# Altium PCB host_board.PcbDoc (part 1 of 7) (continued)
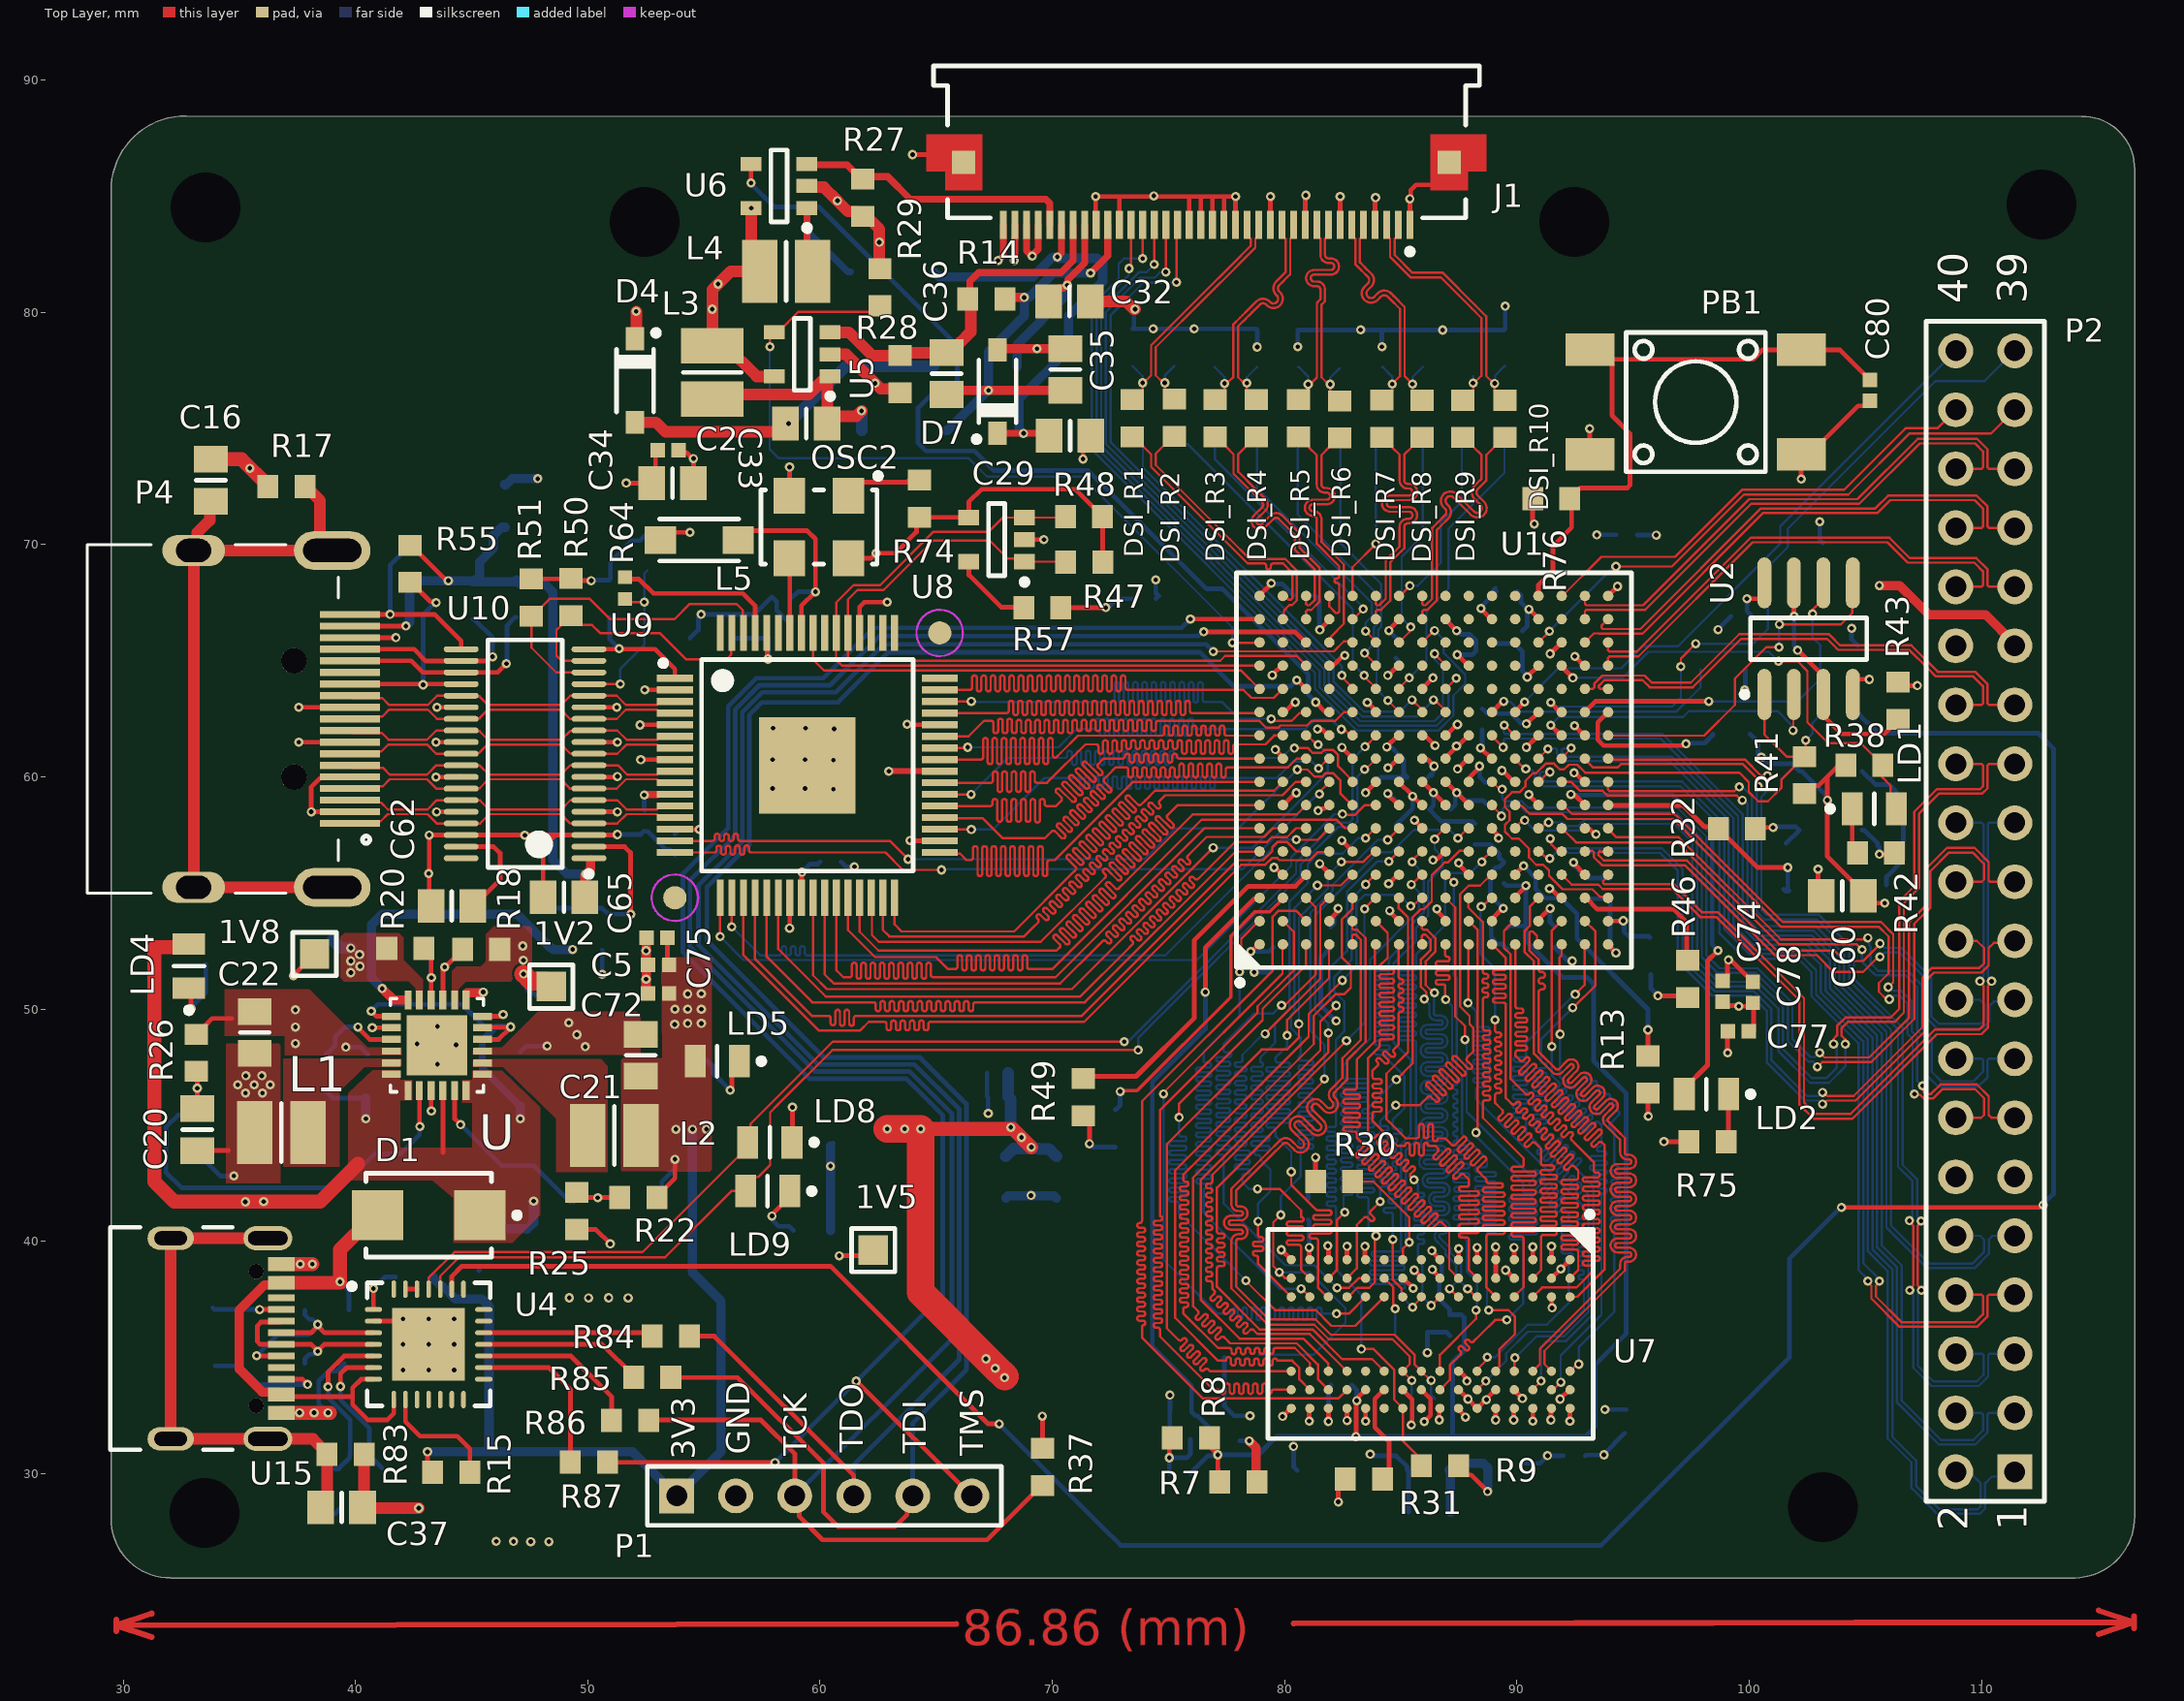
[diagram p0: Top Layer view]
## Design rules (kind name [scope] priority, off if disabled: settings) (continued)
PolygonConnect PolygonConnect_3 [InNet('1V5')] p6: thpad.connectstyle=Relief thpad.reliefconductorwidth=0.254 thpad.reliefentries=4 thpad.polygonreliefangle="90 Angle" thpad.airgapwidth=0.254 smdpad.connectstyle=Direct smdpad.reliefconductorwidth=0.254 smdpad.reliefentries=4 smdpad.polygonreliefangle="90 Angle" smdpad.airgapwidth=0.254 via.connectstyle=Direct via.reliefconductorwidth=0.254 via.reliefentries=4 via.polygonreliefangle="90 Angle" via.airgapwidth=0.254
PolygonConnect PolygonConnect_2 [InNet('1V2')] p7: connectstyle=Direct reliefconductorwidth=0.254 reliefentries=4 polygonreliefangle="90 Angle" airgapwidth=0.254
PolygonConnect PolygonConnect_1 [InNet('5V_IN')] p8: connectstyle=Direct reliefconductorwidth=0.254 reliefentries=4 polygonreliefangle="90 Angle" airgapwidth=0.254
PolygonConnect [All] p9: thpad.connectstyle=Relief thpad.reliefconductorwidth=0.15 thpad.reliefentries=4 thpad.polygonreliefangle="45 Angle" thpad.airgapwidth=0.1 smdpad.connectstyle=Relief smdpad.reliefconductorwidth=0.15 smdpad.reliefentries=4 smdpad.polygonreliefangle="45 Angle" smdpad.airgapwidth=0.1 via.connectstyle=Direct via.reliefconductorwidth=0.15 via.reliefentries=4 via.polygonreliefangle="45 Angle" via.airgapwidth=0.1
RoutingVias [All] p1: holewidth=0.2 width=0.4 viastyle="Through Hole" minholewidth=0.1 minwidth=0.2 maxholewidth=0.3 maxwidth=0.4
SilkToSilkClearance [All] p1: silktosilkclearance=0.1
SilkToSolderMaskClearance [IsPad] p1: minsilkscreentomaskgap=0.1 clearancetoexposedcopper=TRUE
SolderMaskExpansion [All] p1: expansion=0.05 istentingtop=FALSE
Width "Schematic Width Constraint_7" [InNetClass('UART_NET_CLASS')] p1: maxlimit=0.15 minlimit=0.1 preferedwidth=0.1
Width "Schematic Width Constraint_14" [InNetClass('DDR_IO')] p2: maxlimit=0.2 minlimit=0.1 preferedwidth=0.1
Width "Schematic Width Constraint_13" [InNetClass('DDR_IO')] p3: maxlimit=0.2 minlimit=0.1 preferedwidth=0.1
Width "Schematic Width Constraint_12" [InNetClass('DDR_IO')] p4: maxlimit=0.2 minlimit=0.1 preferedwidth=0.1
Width "Schematic Width Constraint_3" [InNetClass('DDR_IO')] p5: maxlimit=0.2 minlimit=0.1 preferedwidth=0.1
Width "Schematic Width Constraint_2" [InNet('DDR_RESETN')] p6: maxlimit=0.3 minlimit=0.1 preferedwidth=0.1
Width "Schematic Width Constraint_11" [InNet('GPIO_31')] p7: maxlimit=0.2 minlimit=0.1 preferedwidth=0.1
Width "Schematic Width Constraint_10" [InNet('GPIO_32')] p8: maxlimit=0.2 minlimit=0.1 preferedwidth=0.1
Width "Schematic Width Constraint_9" [InNet('GPIO_33')] p9: maxlimit=0.2 minlimit=0.1 preferedwidth=0.1
Width "Schematic Width Constraint_4" [InNet('GPIO_34')] p10: maxlimit=0.2 minlimit=0.1 preferedwidth=0.1
Width "Schematic Width Constraint" [InNetClass('PROG')] p11: maxlimit=0.2 minlimit=0.1 preferedwidth=0.1
Width "Schematic Width Constraint_1" [InNetClass('HDMI_HS_LINES')] p12: maxlimit=0.2 minlimit=0.1 preferedwidth=0.1
Width "Schematic Width Constraint_8" [InNetClass('ADV_IO')] p13: maxlimit=0.2 minlimit=0.1 preferedwidth=0.1
Width "Schematic Width Constraint_6" [InNetClass('DPHY_LINES')] p14: maxlimit=0.2 minlimit=0.1 preferedwidth=0.1
Width "Schematic Width Constraint_5" [InNetClass('HDMI_LINES')] p15: maxlimit=0.2 minlimit=0.1 preferedwidth=0.1
Width [All] p16: maxlimit=1.5 minlimit=0.1 preferedwidth=0.2
25 further rules are at their usual default settings.

## Classes and differential pairs
net class UART_NET_CLASS: UART_RX UART_TX
net class TMDS3: TMDS_CLK_N TMDS_CLK_P
net class TMDS2: TMDS2_N TMDS2_P
net class TMDS1: TMDS1_N TMDS1_P
net class TMDS0: TMDS0_N TMDS0_P
net class DPHY_LANE_HS_4: DPHY_HS_CLK_N DPHY_HS_CLK_P
net class DPHY_LANE_HS_3: DPHY_HS3_N DPHY_HS3_P
net class DPHY_LANE_HS_2: DPHY_HS2_N DPHY_HS2_P
net class DPHY_LANE_HS_1: DPHY_HS1_N DPHY_HS1_P
net class DPHY_LANE_HS_0: DPHY_HS0_N DPHY_HS0_P
net class DPHY_OUT: DPHY_0_N DPHY_0_P DPHY_1_N DPHY_1_P DPHY_2_N DPHY_2_P DPHY_3_N DPHY_3_P DPHY_4_N DPHY_4_P
net class DPHY_4: DPHY_4_N DPHY_4_P
net class DPHY_3: DPHY_3_N DPHY_3_P
net class DPHY_2: DPHY_2_N DPHY_2_P
net class DPHY_1: DPHY_1_N DPHY_1_P
net class DPHY_0: DPHY_0_N DPHY_0_P
differential pair class DDR_lvds: DDR_CLK DDR_LDQS DDR_UDQS
net class PROG: CFG_CCLK CFG_CS CFG_DONE CFG_MISO CFG_MOSI
net class USB_LINES: USB_N USB_P
net class GPIO_DIFFPAIR: GPIO0_N GPIO0_P GPIO1_N GPIO1_P GPIO2_N GPIO2_P GPIO3_N GPIO3_P GPIO4_N GPIO4_P GPIO5_N GPIO5_P GPIO6_N GPIO6_P GPIO7_N GPIO7_P GPIO8_N GPIO8_P GPIO9_N GPIO9_P GPIO10_N GPIO10_P GPIO11_N GPIO11_P
net class HDMI_LINES: HDMI_CEC_LV HDMI_SCL_LV HDMI_SDA_LV
net class DPHY_LINES: DPHY_LP_CLK_N DPHY_LP_CLK_P DPHY_LP_N0 DPHY_LP_N1 DPHY_LP_N2 DPHY_LP_N3 DPHY_LP_P0 DPHY_LP_P1 DPHY_LP_P2 DPHY_LP_P3 DSI_GPIO0 DSI_GPIO1 DSI_GPIO2 DSI_GPIO3 DSI_RESET_N LCD_PWREN
net class DPHY_LANE_HS: DPHY_HS0_N DPHY_HS0_P DPHY_HS1_N DPHY_HS1_P DPHY_HS2_N DPHY_HS2_P DPHY_HS3_N DPHY_HS3_P DPHY_HS_CLK_N DPHY_HS_CLK_P
net class ADV_IO: HDMI_CFG_SCL HDMI_CFG_SDA HDMI_D0 HDMI_D1 HDMI_D2 HDMI_D3 HDMI_D4 HDMI_D5 HDMI_D6 HDMI_D7 HDMI_D8 HDMI_D9 HDMI_D10 HDMI_D11 HDMI_D12 HDMI_D13 HDMI_D14 HDMI_D15 HDMI_D16 HDMI_D17 HDMI_D18 HDMI_D19 HDMI_D20 HDMI_D21 HDMI_D22 HDMI_D23 HDMI_DE HDMI_HS HDMI_LCC HDMI_RST_N HDMI_VS
net class HDMI_HS_LINES: TMDS0_N TMDS0_P TMDS1_N TMDS1_P TMDS2_N TMDS2_P TMDS_CLK_N TMDS_CLK_P
net class DDR_IO: DDR_A0 DDR_A1 DDR_A2 DDR_A3 DDR_A4 DDR_A5 DDR_A6 DDR_A7 DDR_A8 DDR_A9 DDR_A10 DDR_A11 DDR_A12 DDR_A13 DDR_A14 DDR_BA0 DDR_BA1 DDR_BA2 DDR_CAS DDR_CKE DDR_CLK_N DDR_CLK_P DDR_D0 DDR_D1 DDR_D2 DDR_D3 DDR_D4 DDR_D5 DDR_D6 DDR_D7 DDR_D8 DDR_D9 DDR_D10 DDR_D11 DDR_D12 DDR_D13 DDR_D14 DDR_D15 DDR_DM0 DDR_DM1 DDR_LDQS_N DDR_LDQS_P DDR_ODT DDR_RAS DDR_UDQS_N DDR_UDQS_P DDR_WE
channel class d-phy_block: Designator2 Designator3 Designator4 Designator5 Designator6
net class HDMI_D[0..23]: HDMI_D0 HDMI_D1 HDMI_D2 HDMI_D3 HDMI_D4 HDMI_D5 HDMI_D6 HDMI_D7 HDMI_D8 HDMI_D9 HDMI_D10 HDMI_D11 HDMI_D12 HDMI_D13 HDMI_D14 HDMI_D15 HDMI_D16 HDMI_D17 HDMI_D18 HDMI_D19 HDMI_D20 HDMI_D21 HDMI_D22 HDMI_D23
net class DDR_DM[0..1]: DDR_DM0 DDR_DM1
net class DDR_D[0..15]: DDR_D0 DDR_D1 DDR_D2 DDR_D3 DDR_D4 DDR_D5 DDR_D6 DDR_D7 DDR_D8 DDR_D9 DDR_D10 DDR_D11 DDR_D12 DDR_D13 DDR_D14 DDR_D15
net class DDR_BA[0..2]: DDR_BA0 DDR_BA1 DDR_BA2
net class DDR_A[0..14]: DDR_A0 DDR_A1 DDR_A2 DDR_A3 DDR_A4 DDR_A5 DDR_A6 DDR_A7 DDR_A8 DDR_A9 DDR_A10 DDR_A11 DDR_A12 DDR_A13 DDR_A14
component class "SDRAM DDR3": C6 C7 C10 C11 C31 C39 C40 C43 C47 C50 C54 C57 C59 R7 R8 R9 R10 R11 R12 R30 R31 U7
component class host_board: J1
component class Designator: C1 C2 C3 C5 C8 C9 C12 C13 C30 C38 C41 C42 C44 C45 C46 C48 C49 C51 C52 C53 C55 C56 C58 C60 C80 LD1 LD2 OSC1 P1 P2 PB1 R13 R32 R33 R34 R35 R36 R37 R38 R39 R40 R41 R42 R43 R44 R45 R46 R47 R48 R49 R57 R66 R75 R76 U2 U8
differential pair DPHY_4: +DPHY_4_P -DPHY_4_N
differential pair DPHY_3: +DPHY_3_P -DPHY_3_N
differential pair DPHY_2: +DPHY_2_P -DPHY_2_N
differential pair DPHY_1: +DPHY_1_P -DPHY_1_N
differential pair DPHY_0: +DPHY_0_P -DPHY_0_N
differential pair DDR_UDQS: +DDR_UDQS_P -DDR_UDQS_N
differential pair DDR_LDQS: +DDR_LDQS_P -DDR_LDQS_N
differential pair USB: +USB_P -USB_N
differential pair TMDS_CLK: +TMDS_CLK_P -TMDS_CLK_N
differential pair TMDS2: +TMDS2_P -TMDS2_N
differential pair TMDS1: +TMDS1_P -TMDS1_N
differential pair TMDS0: +TMDS0_P -TMDS0_N
differential pair GPIO15: +GPIO15_P -GPIO15_N
differential pair GPIO14: +GPIO14_P -GPIO14_N
differential pair GPIO13: +GPIO13_P -GPIO13_N
differential pair GPIO12: +GPIO12_P -GPIO12_N
differential pair GPIO11: +GPIO11_P -GPIO11_N
differential pair GPIO10: +GPIO10_P -GPIO10_N
differential pair GPIO9: +GPIO9_P -GPIO9_N
differential pair GPIO8: +GPIO8_P -GPIO8_N
differential pair GPIO7: +GPIO7_P -GPIO7_N
differential pair GPIO6: +GPIO6_P -GPIO6_N
differential pair GPIO5: +GPIO5_P -GPIO5_N
differential pair GPIO4: +GPIO4_P -GPIO4_N
differential pair GPIO3: +GPIO3_P -GPIO3_N
differential pair GPIO2: +GPIO2_P -GPIO2_N
differential pair GPIO1: +GPIO1_P -GPIO1_N
differential pair GPIO0: +GPIO0_P -GPIO0_N
differential pair DPHY_HS_CLK: +DPHY_HS_CLK_P -DPHY_HS_CLK_N
differential pair DPHY_HS3: +DPHY_HS3_P -DPHY_HS3_N
differential pair DPHY_HS2: +DPHY_HS2_P -DPHY_HS2_N
differential pair DPHY_HS1: +DPHY_HS1_P -DPHY_HS1_N
differential pair DPHY_HS0: +DPHY_HS0_P -DPHY_HS0_N
differential pair DDR_CLK: +DDR_CLK_P -DDR_CLK_N

## Components (designator, comment, footprint, x,y, rotation, side; value= is the part's Value field where it differs from the comment)
1V2 "Test Point" TPS127 48.43,50.975 r0 top
1V5 "Test Point" TPS127 62.29,39.63 r0 top
1V8 "Test Point" TPS127 38.24,52.38 r270 top
C1 "100nF" CAPC1005X55N 89.58,53.045 r90 bottom
C2 "100nF" CAPC1005X55N 53.455,74.07 r0 top
C3 "1uF" CAPC1005X55N 85.72,59.99 r180 bottom value=100nF
C4 "10uF" CAPC2013X100N 48.67,50.59 r180 bottom value=1.5nF
C5 "1uF" CAPC1005X55N 53.05,51.911 r0 top value=100nF
C6 "4.7uF 10V" CAPC2013X100N 81.44,30.14 r180 bottom value=1.5nF
C7 "4.7uF 10V" CAPC2013X100N 86.17,30.17 r180 bottom value=1.5nF
C8 "1uF" CAPC1005X55N 88.64,65.74 r180 bottom value=100nF
C9 "1uF" CAPC1005X55N 84.805,58.395 r90 bottom value=100nF
C10 "4.7uF 10V" CAPC2013X100N 89.445,30.455 r0 bottom value=1.5nF
C11 "4.7uF 10V" CAPC2013X100N 86.223,28.35 r180 bottom value=1.5nF
C12 "1uF" CAPC1005X55N 94.005,55.195 r90 bottom value=100nF
C13 "1uF" CAPC1005X55N 94.605,32.245 r90 bottom value=100nF
C14 "100nF" CAPC2013X100N 39.13,29.32 r90 bottom value=1.5nF
C15 "1uF" CAPC2013X100N 41.225,29.425 r90 bottom value=1.5nF
C16 "100nF" CAPC2013X100N 33.775,72.775 r90 top value=1.5nF
C17 "4.7uF" CAPC2013X100N 47.1,47.26 r270 bottom value=1.5nF
C18 "4.7uF" CAPC2013X100N 40.53,47.16 r270 bottom value=1.5nF
C19 "6.8pF" CAPC2013X100N 52.232,41.668 r0 bottom value=1.5nF
C20 "8.2pF" CAPC2013X100N 33.19,44.82 r270 top value=1.5nF
C21 "10uF" CAPC2013X100N 52.285,48.018 r270 top value=1.5nF
C22 "10uF" CAPC2013X100N 35.665,49 r270 top value=1.5nF
C23 "33pF" CAPC2013X100N 49.4,40.8 r90 bottom value=1.5nF
C24 "47uF" CAPC2013X100N 47.39,39.63 r90 bottom value=1.5nF
C25 "47uF" CAPC2013X100N 45.31,39.65 r90 bottom value=1.5nF
C26 "1uF" CAPC2013X100N 70.172,42.763 r90 bottom value=1.5nF
C27 "1uF" CAPC2013X100N 55.3,65.975 r0 bottom value=1.5nF
C28 "4.7uF" CAPC2013X100N 67.997,42.775 r90 bottom value=1.5nF
C29 "1uF" CAPC2013X100N 70.76,74.693 r180 top value=1.5nF
C30 "100nF" CAPC1005X55N 89.439,55.87 r90 bottom
C31 "100nF" CAPC1005X55N 75.49,31.485 r180 bottom
C32 "4.7uF" CAPC2013X100N 70.735,80.468 r180 top value=1.5nF
C33 "1uF" CAPC2013X100N 59.405,75.218 r180 top value=1.5nF
C34 "4.7uF" CAPC2013X100N 53.65,72.65 r0 top value=1.5nF
C35 "1uF" CAPC2013X100N 70.56,77.543 r270 top value=1.5nF
C36 "22pF" CAPC2013X100N 65.441,77.368 r270 top value=1.5nF
C37 "100nF" CAPC2013X100N 39.405,28.551 r0 top value=1.5nF
C38 "100nF" CAPC1005X55N 67.64,47.26 r0 bottom
C39 "100nF" CAPC1005X55N 75.502,32.71 r180 bottom
C40 "100nF" CAPC1005X55N 75.482,30.02 r0 bottom
C41 "100nF" CAPC1005X55N 67.68,46.201 r0 bottom
C42 "100nF" CAPC1005X55N 92.981,55.21 r90 bottom
C43 "100nF" CAPC1005X55N 87.12,36.388 r90 bottom
C44 "100nF" CAPC1005X55N 85.42,60.9 r180 bottom
C45 "100nF" CAPC1005X55N 94.72,70.43 r0 bottom
C46 "100nF" CAPC1005X55N 89.56,67.99 r0 bottom
C47 "100nF" CAPC1005X55N 82.441,33.82 r0 bottom
C48 "100nF" CAPC1005X55N 80.83,67.82 r0 bottom
C49 "100nF" CAPC1005X55N 88.218,57.47 r90 bottom
C50 "100nF" CAPC1005X55N 79.51,52.22 r270 bottom
C51 "100nF" CAPC1005X55N 88.57,59.35 r90 bottom
C52 "100nF" CAPC1005X55N 86.68,58.595 r180 bottom
C53 "100nF" CAPC1005X55N 99.66,66.92 r0 bottom
C54 "100nF" CAPC1005X55N 81.005,41.395 r270 bottom
C55 "100nF" CAPC1005X55N 88.5,62.49 r270 bottom
C56 "100nF" CAPC1005X55N 91.605,53.12 r90 bottom
C57 "100nF" CAPC1005X55N 92.458,30.775 r180 bottom
C58 "100nF" CAPC1005X55N 81.98,53.095 r90 bottom
C59 "100nF" CAPC1005X55N 77.848,31.895 r270 bottom
C60 "100nF" CAPC2013X100N 103.999,54.88 r0 top value=1.5nF
C61 "100nF" CAPC1005X55N 58.375,67.75 r0 bottom
C62 "100nF" CAPC2013X100N 44.15,54.45 r0 top value=1.5nF
C63 "100nF" CAPC2013X100N 46.45,71.65 r270 bottom value=1.5nF
C64 "100nF" CAPC2013X100N 50.625,53.45 r90 bottom value=1.5nF
C65 "100nF" CAPC2013X100N 48.975,54.825 r0 top value=1.5nF
C66 "1uF" CAPC1005X55N 84.97,65.37 r270 bottom value=100nF
C67 "100nF" CAPC1005X55N 58.229,66.05 r180 bottom
C68 "100nF" CAPC1005X55N 60.45,56.345 r180 bottom
C69 "100nF" CAPC1005X55N 53.75,57.1 r90 bottom
C70 "100nF" CAPC1005X55N 90.23,65.84 r90 bottom
C71 "100nF" CAPC1005X55N 74.005,67.67 r0 bottom
C72 "1uF" CAPC1005X55N 53.05,50.683 r0 top value=100nF
C74 "100nF" CAPC1005X55N 98.849,50.776 r270 top
C75 "100nF" CAPC1005X55N 52.975,53.084 r0 top
C76 "100nF" CAPC1005X55N 52.43,58.13 r90 bottom
C77 "100nF" CAPC1005X55N 99.524,49.047 r0 top
C78 "100nF" CAPC1005X55N 100.149,50.727 r270 top
C79 "10uF" CAPC2013X100N 37.92,52.775 r0 bottom value=1.5nF
C80 "1uF" CAPC1005X55N 105.19,76.64 r270 top value=100nF
D1 "1SMB5917BT3G" DIOM5436X244N 43.15,41.135 r180 top
D2 "PRTR5V0U2X" SOT190P230X110-4N 38.77,35.9 r90 bottom
D3 "BZT52C5V6" SOD3715X145N 66.685,77.668 r0 bottom
D4 "BZT52C5V6" SOD3715X145N 52.035,77.068 r270 top
D5 "BZT52C5V6" SOD3715X145N 63.585,74.918 r180 bottom
D6 "BZT52C5V6" SOD3715X145N 63.102,81.743 r180 bottom
D7 "BZT52C2V7" SOD3715X145N 67.635,76.593 r90 top
DSI_R1 "160R" RESC1608X55N 73.445,75.443 r90 top value=100k (schematic designator R5)
DSI_R2 "160R" RESC1608X55N 75.245,75.468 r90 top value=100k (schematic designator R2)
DSI_R3 "160R" RESC1608X55N 77.01,75.443 r90 top value=100k (schematic designator R5)
DSI_R4 "160R" RESC1608X55N 78.785,75.443 r90 top value=100k (schematic designator R2)
DSI_R5 "160R" RESC1608X55N 80.585,75.443 r90 top value=100k (schematic designator R5)
DSI_R6 "160R" RESC1608X55N 82.36,75.393 r90 top value=100k (schematic designator R2)
DSI_R7 "160R" RESC1608X55N 84.185,75.428 r90 top value=100k (schematic designator R5)
DSI_R8 "160R" RESC1608X55N 85.91,75.418 r90 top value=100k (schematic designator R2)
DSI_R9 "160R" RESC1608X55N 87.66,75.418 r90 top value=100k (schematic designator R5)
DSI_R10 "160R" RESC1608X55N 89.485,75.418 r90 top value=100k (schematic designator R2)
DSI_R11 "22R" RESC1608X55N 73.445,75.443 r90 bottom value=100k (schematic designator R6)
DSI_R12 "22R" RESC1608X55N 75.245,75.468 r270 bottom value=100k (schematic designator R1)
DSI_R13 "22R" RESC1608X55N 76.985,75.443 r90 bottom value=100k (schematic designator R6)
DSI_R14 "22R" RESC1608X55N 78.81,75.443 r270 bottom value=100k (schematic designator R1)
DSI_R15 "22R" RESC1608X55N 80.56,75.418 r90 bottom value=100k (schematic designator R6)
DSI_R16 "22R" RESC1608X55N 82.36,75.393 r270 bottom value=100k (schematic designator R1)
DSI_R17 "22R" RESC1608X55N 84.16,75.393 r90 bottom value=100k (schematic designator R6)
DSI_R18 "22R" RESC1608X55N 85.935,75.418 r270 bottom value=100k (schematic designator R1)
DSI_R19 "22R" RESC1608X55N 87.651,75.444 r90 bottom value=100k (schematic designator R6)
DSI_R20 "22R" RESC1608X55N 89.46,75.443 r270 bottom value=100k (schematic designator R1)
DSI_R21 "51R" RESC1608X55N 73.445,78.493 r90 bottom value=100k (schematic designator R4)
DSI_R22 "51R" RESC1608X55N 75.245,78.493 r270 bottom value=100k (schematic designator R3)
DSI_R23 "51R" RESC1608X55N 76.985,78.443 r90 bottom value=100k (schematic designator R4)
DSI_R24 "51R" RESC1608X55N 78.81,78.443 r270 bottom value=100k (schematic designator R3)
DSI_R25 "51R" RESC1608X55N 80.56,78.443 r90 bottom value=100k (schematic designator R4)
DSI_R26 "51R" RESC1608X55N 82.365,78.393 r270 bottom value=100k (schematic designator R3)
DSI_R27 "51R" RESC1608X55N 84.185,78.443 r90 bottom value=100k (schematic designator R4)
DSI_R28 "51R" RESC1608X55N 85.935,78.443 r270 bottom value=100k (schematic designator R3)
DSI_R29 "51R" RESC1608X55N 87.66,78.493 r90 bottom value=100k (schematic designator R4)
DSI_R30 "51R" RESC1608X55N 89.485,78.493 r270 bottom value=100k (schematic designator R3)
J1 "54104-3633" MOLX-54104-3633 76.635,85.118 r180 top
L1 "2.2uH" IND_MURATA-PS_8200 36.81,44.69 r180 top value=22uH
L2 "2.2uH" IND_MURATA-PS_8200 51.14,44.57 r0 top value=22uH
L3 "4.7uH" IND_MURATA-PS_8200 55.36,77.418 r270 top value=22uH
L4 "4.7uH" IND_MURATA-PS_8200 58.539,81.768 r0 top value=22uH
L5 "4.7uH" IND_MURATA_BLM31PG 54.8,70.2 r180 top value=50R@100MHz
LD1 "Super Red" LED_OSRAM_LSR976 105.374,58.63 r0 top
LD2 "Super Red" LED_OSRAM_LSR976 98.149,46.344 r180 top
LD4 "Super Red" LED_OSRAM_LSR976 32.83,51.86 r90 top
LD5 "Super Red" LED_OSRAM_LSR976 55.57,47.763 r180 top
LD8 "Super Red" LED_OSRAM_LSR976 57.84,44.273 r180 top
LD9 "Super Red" LED_OSRAM_LSR976 57.74,42.173 r180 top
OSC1 "50MHz" OSC_IQD_CFPS-69 103.499,58.98 r180 bottom
OSC2 "25MHz" OSC_IQD_CFPS-69 59.95,70.76 r270 top value=50MHz
P1 "Header 6" HDR1X6 53.83,29.05 r0 top
P2 "3V3 GPIO" HDR2X20 111.424,30.087 r90 top
P4 "1827059-3" TE_1827059-3 34.76,62.5 r270 top
PB1 "Push Button" PB_TYCO_FSM6JSMA 97.69,76.14 r270 top
R7 "1K" RESC1608X55N 78.01,29.66 r0 top value=100k
R8 "1K" RESC1608X55N 75.957,31.545 r0 top value=100k
R9 "4.7K" RESC1608X55N 86.68,30.35 r180 top value=100k
R10 "100" RESC1608X55N 85.16,36.15 r180 bottom value=100k
R11 "4.7K" RESC1608X55N 78.199,35.07 r0 bottom value=100k
R12 "100" RESC1005X40N 86.005,33.22 r0 bottom
R13 "100" RESC1608X55N 95.639,47.19 r270 top value=100k
R14 "100k" RESC1608X55N 67.16,80.568 r0 top
R15 "4.7K" RESC1608X55N 44.125,30.075 r0 top value=100k
R16 "3.3K" RESC1608X55N 42.56,38.47 r0 bottom value=100k
R17 "1M" RESC1608X55N 37.025,72.5 r180 top value=100k
R18 "280k" RESC1608X55N 45.41,52.575 r180 top value=100k
R19 "200k" RESC1608X55N 45.415,52.631 r0 bottom value=100k
R20 "100" RESC1608X55N 42.15,52.615 r0 top value=100k
R21 "100" RESC1608X55N 42.29,52.75 r180 bottom value=100k
R22 "560k" RESC1608X55N 52.171,41.9 r0 top value=100k
R23 "464k" RESC1608X55N 33.18,44.63 r270 bottom value=100k
R24 "100k" RESC1608X55N 38.73,47.29 r270 bottom
R25 "100k" RESC1608X55N 49.52,41.32 r90 top
R26 "178k" RESC1608X55N 33.15,48.125 r270 top value=100k
R27 "100" RESC1608X55N 61.827,84.943 r90 top value=100k
R28 "100k" RESC1608X55N 63.446,77.343 r90 top
R29 "100k" RESC1608X55N 62.576,81.086 r270 top
R30 "4.7K" RESC1608X55N 82.126,42.587 r0 top value=100k
R31 "240R" RESC1608X55N 83.41,29.78 r0 top value=100k
R32 "4.7k" RESC1608X55N 99.463,57.78 r0 top value=100k
R33 "4.7k" RESC1608X55N 102.499,55.105 r180 bottom value=100k
R34 "3.3k" RESC1608X55N 95.68,52.345 r90 bottom value=100k
R35 "4.7k" RESC1608X55N 106.049,54.72 r270 bottom value=100k
R36 "3.3k" RESC1608X55N 99.024,64.63 r180 bottom value=100k
R37 "3.3k" RESC1608X55N 69.575,30.3 r90 top value=100k
R38 "1k" RESC1608X55N 104.949,60.505 r180 top value=100k
R39 "3.3k" RESC1608X55N 103.924,62.73 r0 bottom value=100k
R40 "3.3k" RESC1608X55N 103.874,65.655 r0 bottom value=100k
R41 "3.3k" RESC1608X55N 102.374,60.08 r270 top value=100k
R42 "1k" RESC1608X55N 105.449,56.721 r180 top value=100k
R43 "3.3k" RESC1608X55N 106.4,63.28 r90 top value=100k
R44 "3.3k" RESC1608X55N 103.16,69.28 r270 bottom value=100k
R45 "4.7k" RESC1608X55N 99.224,61.855 r0 bottom value=100k
R46 "4.7k" RESC1608X55N 97.349,51.305 r270 top value=100k
R47 "4.7k" RESC1608X55N 71.37,69.249 r0 top value=100k
R48 "4.7k" RESC1608X55N 71.36,71.209 r0 top value=100k
R49 "4.7k" RESC1608X55N 71.32,46.22 r270 top value=100k
R50 "47k" RESC1608X55N 49.275,67.75 r90 top value=100k
R51 "47k" RESC1608X55N 47.575,67.725 r90 top value=100k
R52 "47k" RESC1608X55N 52.56,69.69 r90 bottom value=100k
R53 "100" RESC1608X55N 50.925,67.675 r90 bottom value=100k
R54 "47k" RESC1608X55N 46.925,67.675 r90 bottom value=100k
R55 "27k" RESC1608X55N 42.35,69.175 r90 top value=100k
R56 "47k" RESC1608X55N 45.05,67.6 r90 bottom value=100k
R57 "4.7k" RESC1608X55N 69.564,67.29 r180 top value=100k
R58 "10k" RESC1608X55N 48.475,53.425 r270 bottom value=100k
R59 "1k" RESC1608X55N 42.45,69.225 r90 bottom value=100k
R64 "0R" RESC1005X40N 51.6,68.125 r270 top value=10k
R65 "5.1k" RESC1608X55N 33.85,37.95 r90 bottom value=100k
R66 "150 DNP" RESC1608X55N 72.71,44.87 r270 bottom value=100k
R74 "4.7k" RESC1608X55N 64.28,71.98 r270 top value=100k
R75 "1k" RESC1608X55N 98.199,44.299 r0 top value=100k
R76 "4.7k" RESC1608X55N 91.47,71.99 r180 top value=100k
R77 "4.7K" RESC1608X55N 34.36,51.94 r180 bottom value=100k
R78 "4.7K" RESC1608X55N 54.38,47.93 r0 bottom value=100k
R81 "4.7K" RESC1608X55N 59.76,44.235 r180 bottom value=100k
R82 "4.7K" RESC1608X55N 59.65,40.48 r180 bottom value=100k
R83 "1M" RESC1608X55N 39.575,30.85 r0 top value=100k
R84 "0R" RESC1608X55N 53.575,35.925 r0 top value=100k
R85 "0R" RESC1608X55N 52.775,34.15 r0 top value=100k
R86 "0R" RESC1608X55N 51.825,32.3 r0 top value=100k
R87 "0R" RESC1608X55N 50.05,30.5 r0 top value=100k
R90 "5.1k" RESC1608X55N 33.95,33.85 r270 bottom value=100k
U "LM26480SQ-AA" QFN400X400X80-25N 43.51,48.45 r0 top
U1 "XC6SLX16-2FTG256C" FTG256 86.42,60.293 r90 top
U2 "M25P80-VMN6P" MICT-MN-8_N 102.549,65.955 r90 top
U4 "CP2103-GM" SLAB-QFN-28-3125x3125TP_A_L 43.15,35.575 r0 top
U5 "TPS61040DBVR" TI-DBV5_L 59.235,78.193 r180 top
U6 "TPS61040DBVR" TI-DBV5_L 58.235,85.443 r180 top
U7 "MT41J256M16HA-125" MICT-HA-96 86.28,36.02 r270 top
U8 "24AA02HT-I/OT" SOT-23-OT5_L 67.6,70.219 r180 top
U9 "ADV7611" QFP50P1200X1200X120-65N-S415 59.45,60.5 r0 top
U10 "TPD12S520DBTR" DBT38_L 47.3,61 r180 top
U15 "USB4105-GF-A" GCT_USB4105-GF-A 32.05,35.825 r270 top

## Footprints (in the part's own frame and the unit in brackets; to place one, negate y for a bottom-side part, rotate by r counter-clockwise, add the part's x,y. Pads: shape width x height; smd on the part's side, far side on the other; paste and mask are expansions set on the pad)
CAPC1005X55N [mm] "Chip Capacitor, Body 1.0x0.55mm, IPC Medium Density"
  rect 0.62x0.62 smd: 1(-0.45,0) 2(0.45,0)
  body extent -0.52,-0.27 0.53,0.28, height 0.55
CAPC2013X100N [mm] "Capacitor, Non-Polarized, Chip; 2.00mm L X 1.25mm W X 0.9mm H, IPC Medium Density"
  rect 1.15x1.45 smd: 1(-0.9,0) 2(0.9,0)
  silkscreen extent 0,-0.63 0,0.62, body extent -1.1,-0.72 1.1,0.73, height 1
DBT38_L [mm] "TSSOP, 38-Leads, Body 9.7x4.4mm, Pitch 0.5mm, IPC High Density"
  oval 1.5x0.25 smd: 1(-2.75,4.5) 2(-2.75,4) 3(-2.75,3.5) 4(-2.75,3) 5(-2.75,2.5) 6(-2.75,2) 7(-2.75,1.5) 8(-2.75,1) 9(-2.75,0.5) 10(-2.75,0) 11(-2.75,-0.5) 12(-2.75,-1) 13(-2.75,-1.5) 14(-2.75,-2) 15(-2.75,-2.5) 16(-2.75,-3) 17(-2.75,-3.5) 18(-2.75,-4) 19(-2.75,-4.5) 20(2.75,-4.5) 21(2.75,-4) 22(2.75,-3.5) 23(2.75,-3) 24(2.75,-2.5) 25(2.75,-2) 26(2.75,-1.5) 27(2.75,-1) 28(2.75,-0.5) 29(2.75,0) 30(2.75,0.5) 31(2.75,1) 32(2.75,1.5) 33(2.75,2) 34(2.75,2.5) 35(2.75,3) 36(2.75,3.5) 37(2.75,4) 38(2.75,4.5)
  silkscreen extent -2.88,-4.9 1.6,5.3, body extent -2.25,-4.9 2.25,4.9, height 1.2
DIOM5436X244N [mm] "DO-214-AA/SMB Diode, Molded Body; 5.40mm L X 3.62mm W X 2.44mm H, IPC Medium Density"
  rect 2.2x2.15 smd: 1(-2.2,0) 2(2.2,0)
  silkscreen extent -3.93,-1.8 2.7,1.8, body extent -2.7,-1.95 2.7,1.95, height 2.44
FTG256 [mm] "BGA, 256-Leads, Body 17x17mm, Pitch 1mm"
  round 0.45 smd: A1(-7.5,7.5) A2(-6.5,7.5) A3(-5.5,7.5) A4(-4.5,7.5) A5(-3.5,7.5) A6(-2.5,7.5) A7(-1.5,7.5) A8(-0.5,7.5) A9(0.5,7.5) A10(1.5,7.5) A11(2.5,7.5) A12(3.5,7.5) A13(4.5,7.5) A14(5.5,7.5) A15(6.5,7.5) A16(7.5,7.5) B1(-7.5,6.5) B2(-6.5,6.5) B3(-5.5,6.5) B4(-4.5,6.5) B5(-3.5,6.5) B6(-2.5,6.5) B7(-1.5,6.5) B8(-0.5,6.5) B9(0.5,6.5) B10(1.5,6.5) B11(2.5,6.5) B12(3.5,6.5) B13(4.5,6.5) B14(5.5,6.5) B15(6.5,6.5) B16(7.5,6.5) C1(-7.5,5.5) C2(-6.5,5.5) C3(-5.5,5.5) C4(-4.5,5.5) C5(-3.5,5.5) C6(-2.5,5.5) C7(-1.5,5.5) C8(-0.5,5.5) C9(0.5,5.5) C10(1.5,5.5) C11(2.5,5.5) C12(3.5,5.5) C13(4.5,5.5) C14(5.5,5.5) C15(6.5,5.5) C16(7.5,5.5) D1(-7.5,4.5) D2(-6.5,4.5) D3(-5.5,4.5) D4(-4.5,4.5) D5(-3.5,4.5) D6(-2.5,4.5) D7(-1.5,4.5) D8(-0.5,4.5) D9(0.5,4.5) D10(1.5,4.5) D11(2.5,4.5) D12(3.5,4.5) D13(4.5,4.5) D14(5.5,4.5) D15(6.5,4.5) D16(7.5,4.5) E1(-7.5,3.5) E2(-6.5,3.5) E3(-5.5,3.5) E4(-4.5,3.5) E5(-3.5,3.5) E6(-2.5,3.5) E7(-1.5,3.5) E8(-0.5,3.5) E9(0.5,3.5) E10(1.5,3.5) E11(2.5,3.5) E12(3.5,3.5) E13(4.5,3.5) E14(5.5,3.5) E15(6.5,3.5) E16(7.5,3.5) F1(-7.5,2.5) F2(-6.5,2.5) F3(-5.5,2.5) F4(-4.5,2.5) F5(-3.5,2.5) F6(-2.5,2.5) F7(-1.5,2.5) F8(-0.5,2.5) F9(0.5,2.5) F10(1.5,2.5) F11(2.5,2.5) F12(3.5,2.5) F13(4.5,2.5) F14(5.5,2.5) F15(6.5,2.5) F16(7.5,2.5) G1(-7.5,1.5) G2(-6.5,1.5) G3(-5.5,1.5) G4(-4.5,1.5) G5(-3.5,1.5) G6(-2.5,1.5) G7(-1.5,1.5) G8(-0.5,1.5) G9(0.5,1.5) G10(1.5,1.5) G11(2.5,1.5) G12(3.5,1.5) G13(4.5,1.5) G14(5.5,1.5) G15(6.5,1.5) G16(7.5,1.5) H1(-7.5,0.5) H2(-6.5,0.5) H3(-5.5,0.5) H4(-4.5,0.5) H5(-3.5,0.5) H6(-2.5,0.5) H7(-1.5,0.5) H8(-0.5,0.5) H9(0.5,0.5) H10(1.5,0.5) H11(2.5,0.5) H12(3.5,0.5) H13(4.5,0.5) H14(5.5,0.5) H15(6.5,0.5) H16(7.5,0.5) J1(-7.5,-0.5) J2(-6.5,-0.5) J3(-5.5,-0.5) J4(-4.5,-0.5) J5(-3.5,-0.5) J6(-2.5,-0.5) J7(-1.5,-0.5) J8(-0.5,-0.5) J9(0.5,-0.5) J10(1.5,-0.5) J11(2.5,-0.5) J12(3.5,-0.5) J13(4.5,-0.5) J14(5.5,-0.5) J15(6.5,-0.5) J16(7.5,-0.5) K1(-7.5,-1.5) K2(-6.5,-1.5) K3(-5.5,-1.5) K4(-4.5,-1.5) K5(-3.5,-1.5) K6(-2.5,-1.5) K7(-1.5,-1.5) K8(-0.5,-1.5) K9(0.5,-1.5) K10(1.5,-1.5) K11(2.5,-1.5) K12(3.5,-1.5) K13(4.5,-1.5) K14(5.5,-1.5) K15(6.5,-1.5) K16(7.5,-1.5) L1(-7.5,-2.5) L2(-6.5,-2.5) L3(-5.5,-2.5) L4(-4.5,-2.5) L5(-3.5,-2.5) L6(-2.5,-2.5) L7(-1.5,-2.5) L8(-0.5,-2.5) L9(0.5,-2.5) L10(1.5,-2.5) L11(2.5,-2.5) L12(3.5,-2.5) L13(4.5,-2.5) L14(5.5,-2.5) L15(6.5,-2.5) L16(7.5,-2.5) M1(-7.5,-3.5) M2(-6.5,-3.5) M3(-5.5,-3.5) M4(-4.5,-3.5) M5(-3.5,-3.5) M6(-2.5,-3.5) M7(-1.5,-3.5) M8(-0.5,-3.5) M9(0.5,-3.5) M10(1.5,-3.5) M11(2.5,-3.5) M12(3.5,-3.5) M13(4.5,-3.5) M14(5.5,-3.5) M15(6.5,-3.5) M16(7.5,-3.5) N1(-7.5,-4.5) N2(-6.5,-4.5) N3(-5.5,-4.5) N4(-4.5,-4.5) N5(-3.5,-4.5) N6(-2.5,-4.5) N7(-1.5,-4.5) N8(-0.5,-4.5) N9(0.5,-4.5) N10(1.5,-4.5) N11(2.5,-4.5) N12(3.5,-4.5) N13(4.5,-4.5) N14(5.5,-4.5) N15(6.5,-4.5) N16(7.5,-4.5) P1(-7.5,-5.5) P2(-6.5,-5.5) P3(-5.5,-5.5) P4(-4.5,-5.5) P5(-3.5,-5.5) P6(-2.5,-5.5) P7(-1.5,-5.5) P8(-0.5,-5.5) P9(0.5,-5.5) P10(1.5,-5.5) P11(2.5,-5.5) P12(3.5,-5.5) P13(4.5,-5.5) P14(5.5,-5.5) P15(6.5,-5.5) P16(7.5,-5.5) R1(-7.5,-6.5) R2(-6.5,-6.5) R3(-5.5,-6.5) R4(-4.5,-6.5) R5(-3.5,-6.5) R6(-2.5,-6.5) R7(-1.5,-6.5) R8(-0.5,-6.5) R9(0.5,-6.5) R10(1.5,-6.5) R11(2.5,-6.5) R12(3.5,-6.5) R13(4.5,-6.5) R14(5.5,-6.5) R15(6.5,-6.5) R16(7.5,-6.5) T1(-7.5,-7.5) T2(-6.5,-7.5) T3(-5.5,-7.5) T4(-4.5,-7.5) T5(-3.5,-7.5) T6(-2.5,-7.5) T7(-1.5,-7.5) T8(-0.5,-7.5) T9(0.5,-7.5) T10(1.5,-7.5) T11(2.5,-7.5) T12(3.5,-7.5) T13(4.5,-7.5) T14(5.5,-7.5) T15(6.5,-7.5) T16(7.5,-7.5)
  silkscreen extent -9.27,-8.5 8.5,8.5, body extent -8.5,-8.5 8.5,8.5, height 1.55
GCT_USB4105-GF-A [mm]
  rect 0.6x1.15 smd: A1/B12(-3.2,4.755) A4/B9(-2.4,4.755) B1/A12(3.2,4.755) B4/A9(2.4,4.755)
  rect 0.3x1.15 smd: A5(-1.25,4.755) A6(-0.25,4.755) A7(0.25,4.755) A8(1.25,4.755) B5(1.75,4.755) B6(0.75,4.755) B7(-0.75,4.755) B8(-1.75,4.755)
  oval 1x2 hole 0.6 slot 1.4 at 90 deg: G1(-4.32,0) G2(4.32,0)
  oval 1.05x2.1 hole 0.6 slot 1.7 at 90 deg: G3(-4.32,4.18) G4(4.32,4.18)
  round 0.65 hole 0.65 unplated: ""(-2.89,3.68) ""(2.89,3.68)
  silkscreen extent -4.79,-2.6 4.79,2.65, body extent -7.24,-2.71 4.79,5, height 3.32
HDR1X6 [mm] "Connector; Header; 6 Position"
  rect 1.5x1.5 hole 0.9: 1(0,0)
  round 1.5 hole 0.9: 2(2.54,0) 3(5.08,0) 4(7.62,0) 5(10.16,0) 6(12.7,0)
  silkscreen extent -1.27,-1.27 13.97,1.27
HDR2X20 [mm] "Connector; Header; 20x2 Position"
  rect 1.5x1.5 hole 0.9: 1(0,0)
  round 1.5 hole 0.9: 2(0,2.54) 3(2.54,0) 4(2.54,2.54) 5(5.08,0) 6(5.08,2.54) 7(7.62,0) 8(7.62,2.54) 9(10.16,0) 10(10.16,2.54) 11(12.7,0) 12(12.7,2.54) 13(15.24,0) 14(15.24,2.54) 15(17.78,0) 16(17.78,2.54) 17(20.32,0) 18(20.32,2.54) 19(22.86,0) 20(22.86,2.54) 21(25.4,0) 22(25.4,2.54) 23(27.94,0) 24(27.94,2.54) 25(30.48,0) 26(30.48,2.54) 27(33.02,0) 28(33.02,2.54) 29(35.56,0) 30(35.56,2.54) 31(38.1,0) 32(38.1,2.54) 33(40.64,0) 34(40.64,2.54) 35(43.18,0) 36(43.18,2.54) 37(45.72,0) 38(45.72,2.54) 39(48.26,0) 40(48.26,2.54)
  silkscreen extent -1.27,-1.27 49.53,3.81
IND_MURATA-PS_8200 [mm] "Miniature Surface Mount Power Inductors, 3.2mm L X 2.5mm W X 2.3mm H, MURATA 8200 Series"
  rect 1.52x2.7 smd: 1(-1.145,0) 2(1.145,0)
  silkscreen extent 0,-1.25 0,1.25, body extent -1.6,-1.25 1.6,1.25, height 2.3
IND_MURATA_BLM31PG [mm] "Chip Ferrite Bead, 3.20mm L X 1.60mm W, BLM31PG Series"
  rect 1.35x1.2 smd: 1(-1.675,0) 2(1.675,0)
  silkscreen extent -1.7,-0.9 1.7,0.9, body extent -1.6,-0.8 1.6,0.8, height 1.3
LED_OSRAM_LSR976 [mm] "Super Red Chip LED, 2-Leads, Body 2.0x1.25mm, IPC Medium Density"
  rect 0.9x1.4 smd: 1(-0.95,0) 2(0.95,0)
  silkscreen extent -2.02,-0.65 0,0.65, body extent -1.05,-0.67 1.05,0.68, height 0.9
MICT-HA-96 [mm] "BGA, 96-Balls, Body 14x9mm, Pitch 0.8mm"
  round 0.4 smd: A1(-3.2,6) A2(-2.4,6) A3(-1.6,6) A7(1.6,6) A8(2.4,6) A9(3.2,6) B1(-3.2,5.2) B2(-2.4,5.2) B3(-1.6,5.2) B7(1.6,5.2) B8(2.4,5.2) B9(3.2,5.2) C1(-3.2,4.4) C2(-2.4,4.4) C3(-1.6,4.4) C7(1.6,4.4) C8(2.4,4.4) C9(3.2,4.4) D1(-3.2,3.6) D2(-2.4,3.6) D3(-1.6,3.6) D7(1.6,3.6) D8(2.4,3.6) D9(3.2,3.6) E1(-3.2,2.8) E2(-2.4,2.8) E3(-1.6,2.8) E7(1.6,2.8) E8(2.4,2.8) E9(3.2,2.8) F1(-3.2,2) F2(-2.4,2) F3(-1.6,2) F7(1.6,2) F8(2.4,2) F9(3.2,2) G1(-3.2,1.2) G2(-2.4,1.2) G3(-1.6,1.2) G7(1.6,1.2) G8(2.4,1.2) G9(3.2,1.2) H1(-3.2,0.4) H2(-2.4,0.4) H3(-1.6,0.4) H7(1.6,0.4) H8(2.4,0.4) H9(3.2,0.4) J1(-3.2,-0.4) J2(-2.4,-0.4) J3(-1.6,-0.4) J7(1.6,-0.4) J8(2.4,-0.4) J9(3.2,-0.4) K1(-3.2,-1.2) K2(-2.4,-1.2) K3(-1.6,-1.2) K7(1.6,-1.2) K8(2.4,-1.2) K9(3.2,-1.2) L1(-3.2,-2) L2(-2.4,-2) L3(-1.6,-2) L7(1.6,-2) L8(2.4,-2) L9(3.2,-2) M1(-3.2,-2.8) M2(-2.4,-2.8) M3(-1.6,-2.8) M7(1.6,-2.8) M8(2.4,-2.8) M9(3.2,-2.8) N1(-3.2,-3.6) N2(-2.4,-3.6) N3(-1.6,-3.6) N7(1.6,-3.6) N8(2.4,-3.6) N9(3.2,-3.6) P1(-3.2,-4.4) P2(-2.4,-4.4) P3(-1.6,-4.4) P7(1.6,-4.4) P8(2.4,-4.4) P9(3.2,-4.4) R1(-3.2,-5.2) R2(-2.4,-5.2) R3(-1.6,-5.2) R7(1.6,-5.2) R8(2.4,-5.2) R9(3.2,-5.2) T1(-3.2,-6) T2(-2.4,-6) T3(-1.6,-6) T7(1.6,-6) T8(2.4,-6) T9(3.2,-6)
  silkscreen extent -5.27,-7 4.5,7, body extent -4.5,-7 4.5,7, height 0.1
MICT-MN-8_N [mm] "SOIC, 8-Leads, Body 5x4mm, Pitch 1.27mm, IPC Medium Density"
  oval 2.2x0.6 smd: 1(-2.4,1.905) 2(-2.4,0.635) 3(-2.4,-0.635) 4(-2.4,-1.905) 5(2.4,-1.905) 6(2.4,-0.635) 7(2.4,0.635) 8(2.4,1.905)
  silkscreen extent -2.52,-2.5 0.9,2.88, body extent -2,-2.5 2,2.5, height 0.1